# KiCad board Nanopipets.kicad_pcb
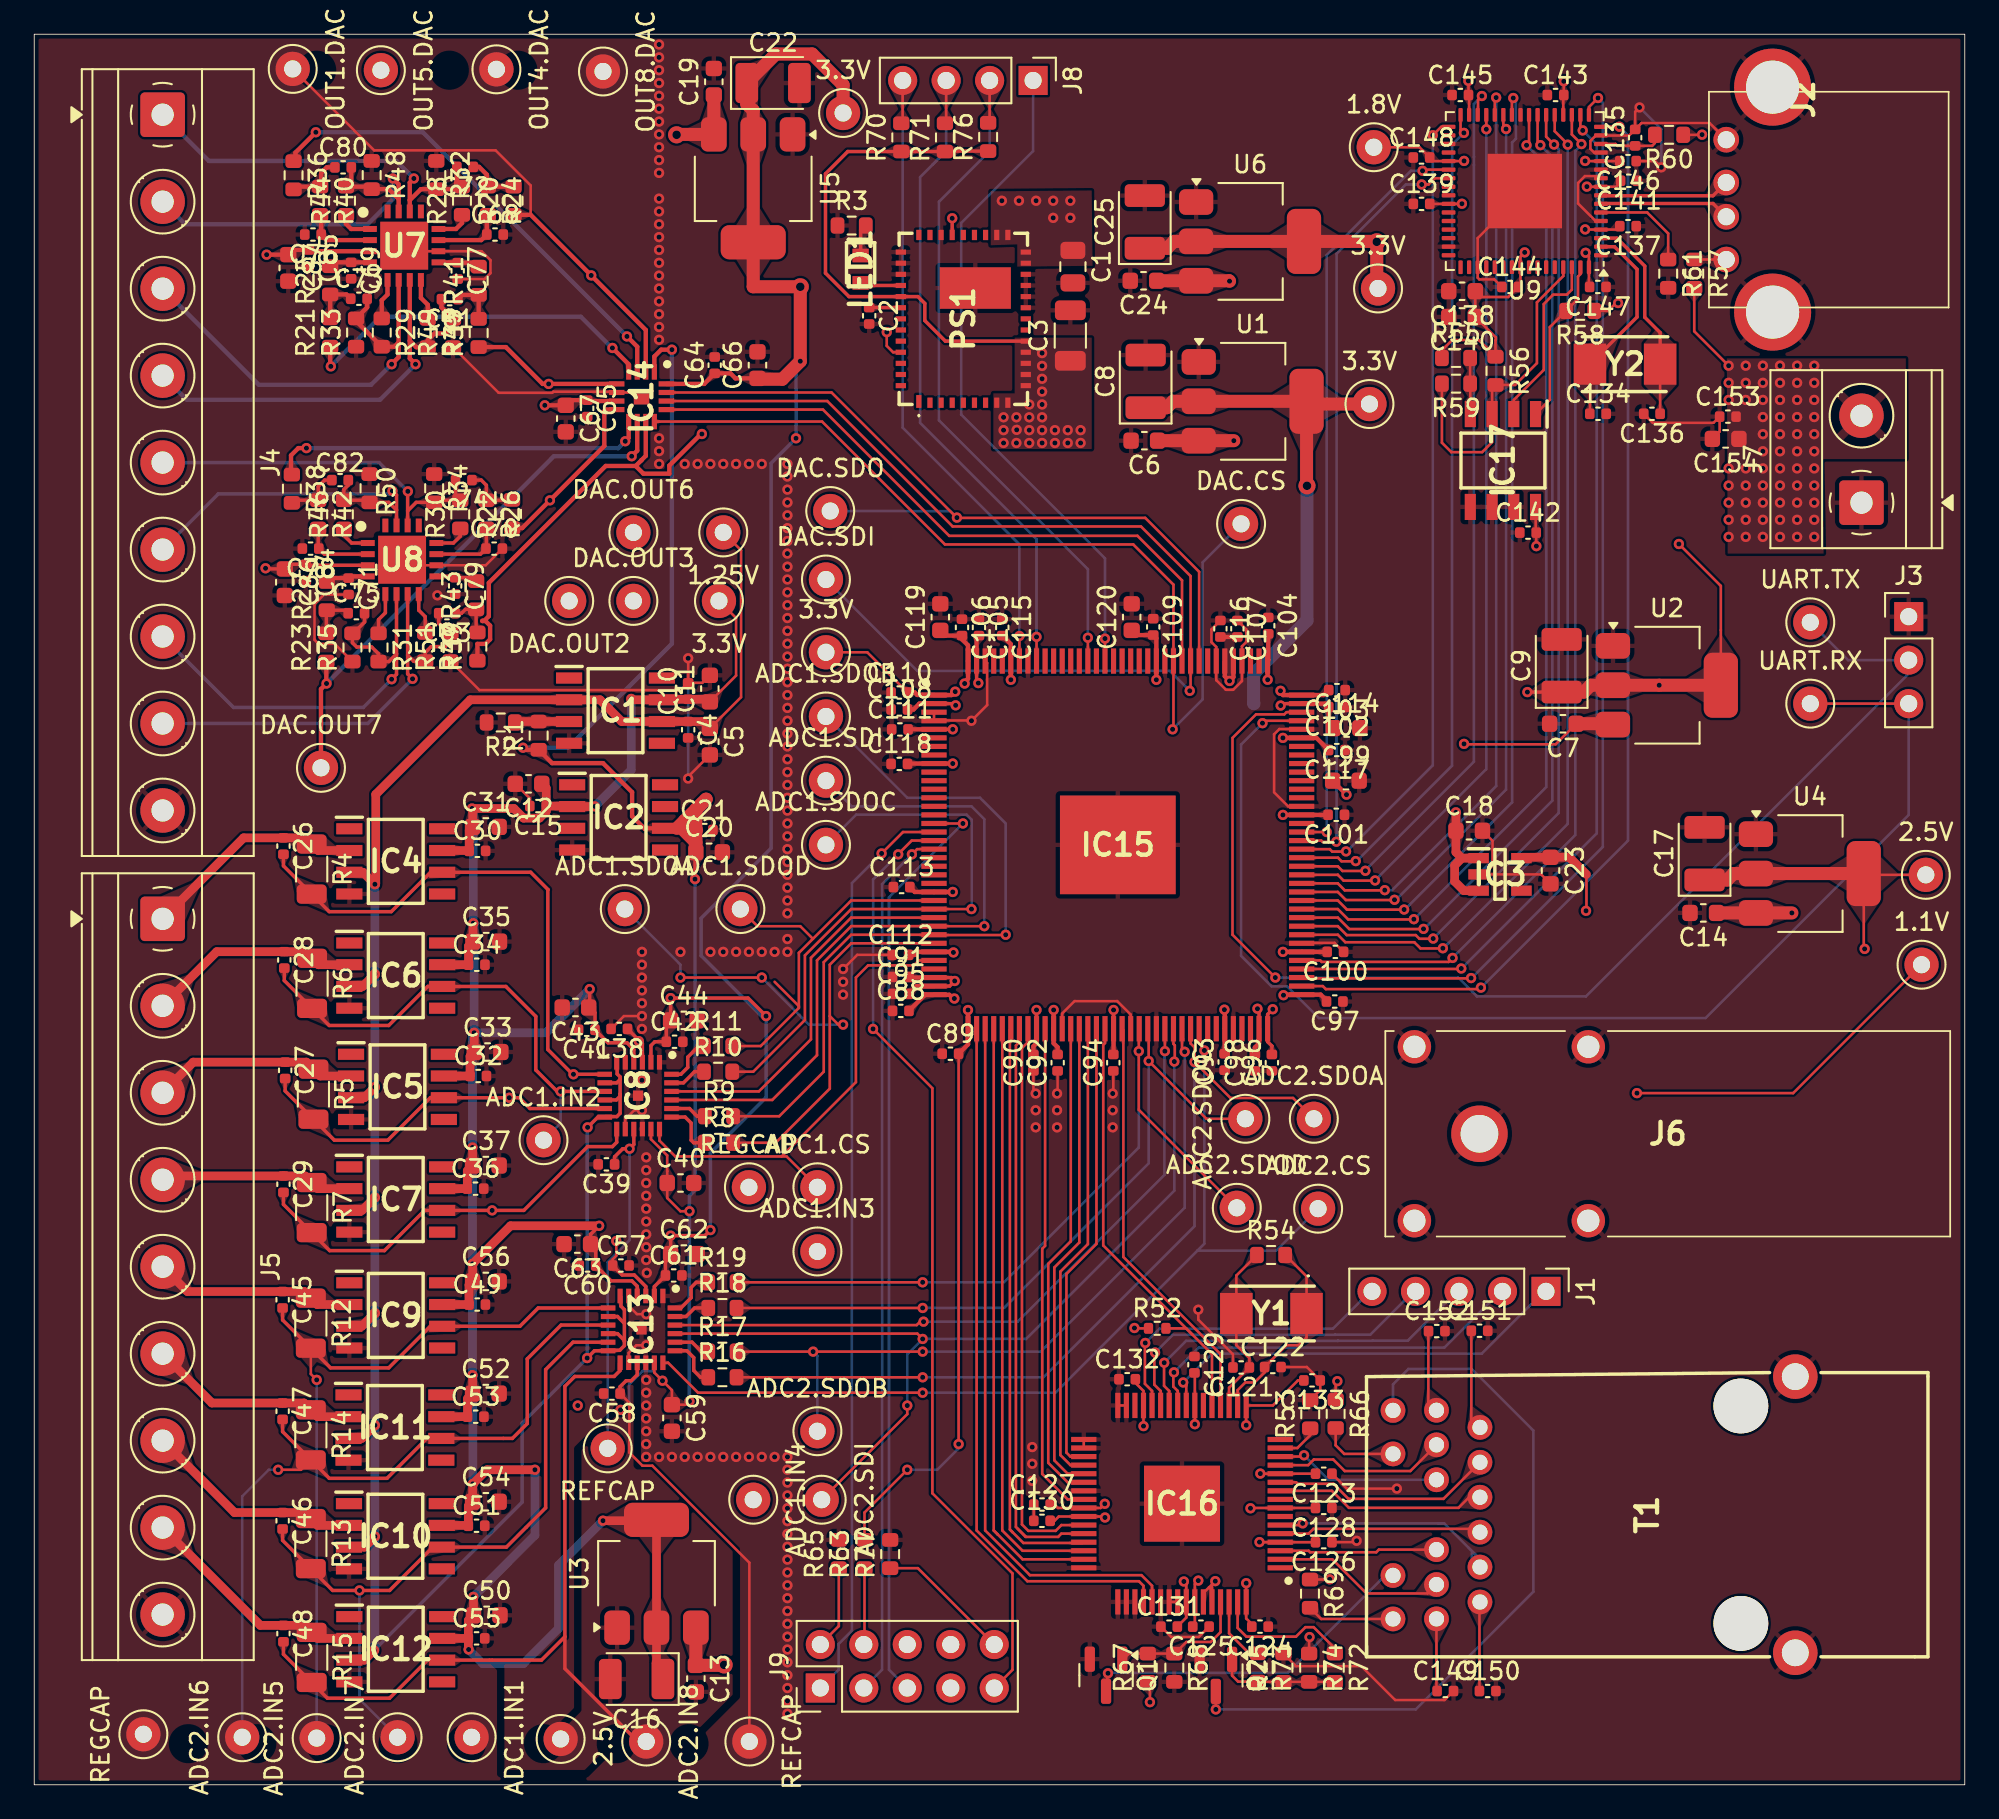
[diagram p0: board, top side]
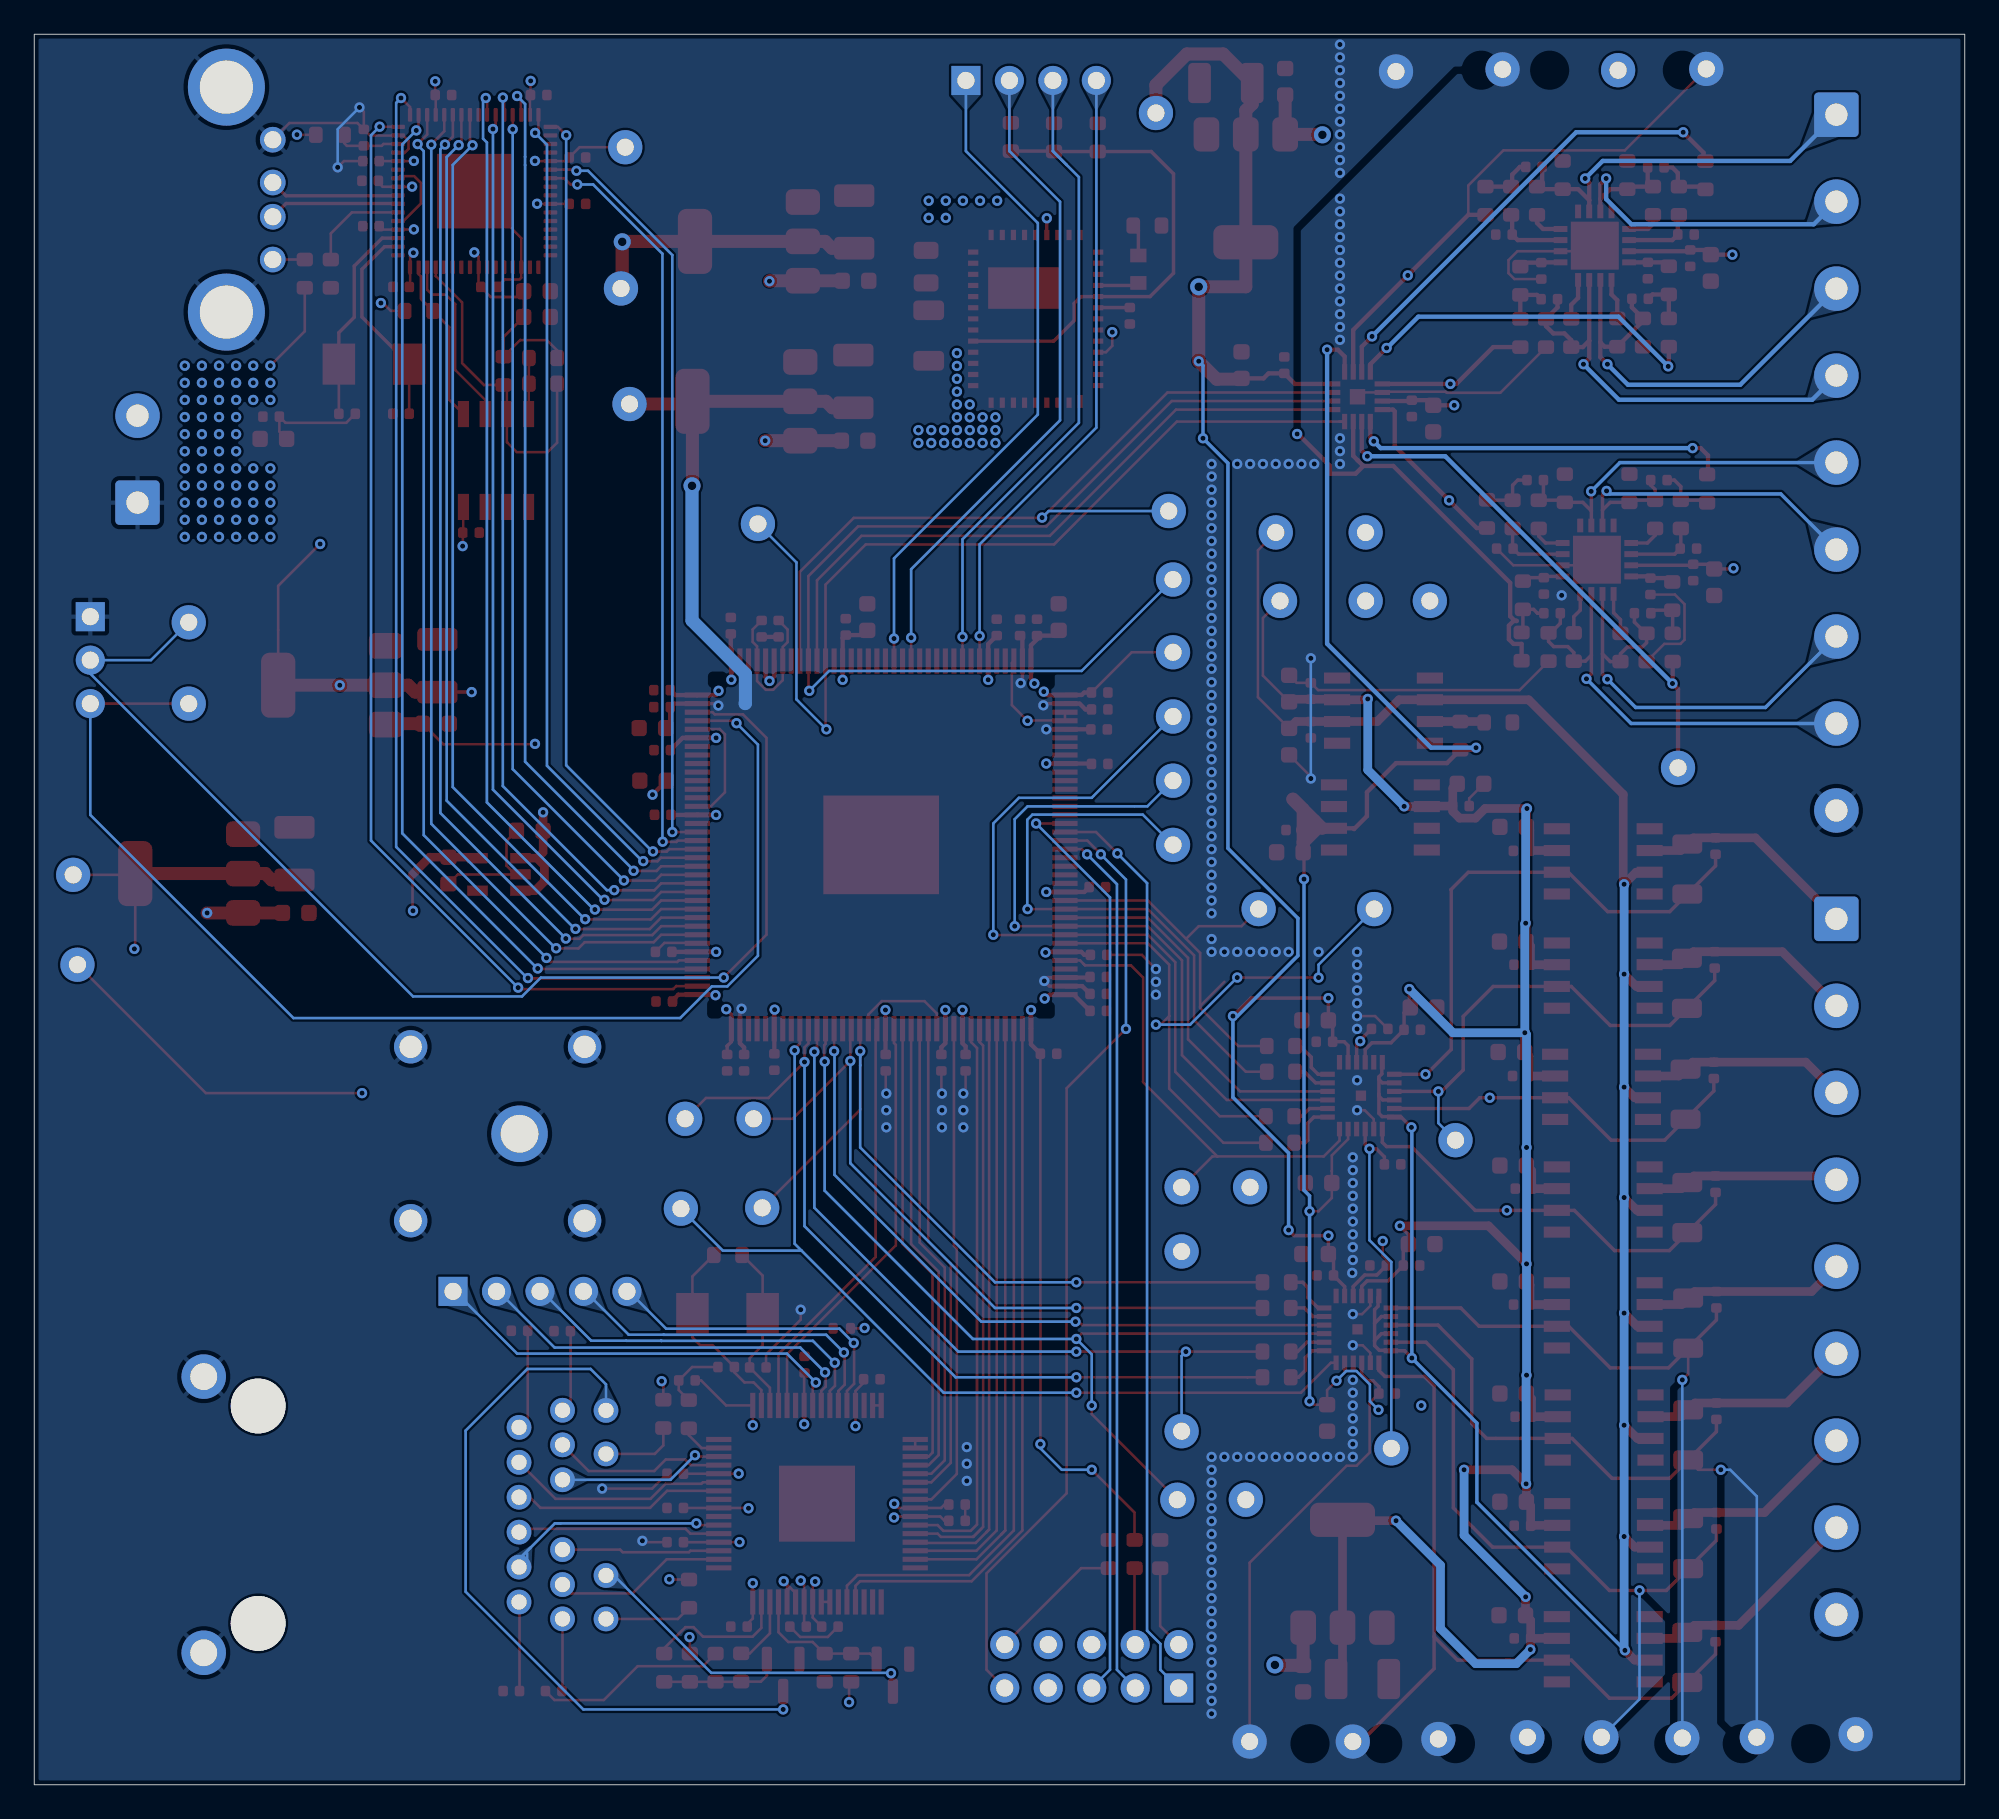
[diagram p1: board, bottom side, seen from below]

Outline 112.78 x 102.25 mm; copper layers: Top, In1.Cu, In2.Cu, Bottom. Coordinates in mm from the lower left corner of the outline.
Outline path: rectangle 0,102.25 112.78,0
Stack: Top 0.035mm / dielectric 0.1mm FR4 er 4.5 / In1.Cu 0.035mm / dielectric 1.24mm FR4 er 4.5 / In2.Cu 0.035mm / dielectric 0.1mm FR4 er 4.5 / Bottom 0.035mm

## Placement (name value [footprint] x y rotation side)
1.1V  TestPoint  [TestPoint_Keystone_5000-5004_Miniature]  110.25 47.9 0 top
1.8V  TestPoint  [TestPoint_Keystone_5000-5004_Miniature]  78.25 95.65 0 top
1.25V  TestPoint  [TestPoint_Keystone_5000-5004_Miniature]  40.25 73.15 180 top
2.5V  TestPoint  [TestPoint_Keystone_5000-5004_Miniature]  30.75 2.68 270 top
2.5V#2  TestPoint  [TestPoint_Keystone_5000-5004_Miniature]  110.5 53.15 0 top
3.3V  TestPoint  [TestPoint_Keystone_5000-5004_Miniature]  78.5 87.4 0 top
3.3V#2  TestPoint  [TestPoint_Keystone_5000-5004_Miniature]  40 69.15 180 top
3.3V#3  TestPoint  [TestPoint_Keystone_5000-5004_Miniature]  46.25 66.15 0 top
3.3V#4  TestPoint  [TestPoint_Keystone_5000-5004_Miniature]  47.25 97.65 0 top
3.3V#5  TestPoint  [TestPoint_Keystone_5000-5004_Miniature]  78 80.65 0 top
ADC1.CS  TestPoint  [TestPoint_Keystone_5000-5004_Miniature]  45.75 34.9 0 top
ADC1.IN1  TestPoint  [TestPoint_Keystone_5000-5004_Miniature]  25.55 2.78 270 top
ADC1.IN2  TestPoint  [TestPoint_Keystone_5000-5004_Miniature]  29.75 37.65 0 top
ADC1.IN3  TestPoint  [TestPoint_Keystone_5000-5004_Miniature]  45.75 31.15 0 top
ADC1.IN4  TestPoint  [TestPoint_Keystone_5000-5004_Miniature]  42 16.65 270 top
ADC1.SDI  TestPoint  [TestPoint_Keystone_5000-5004_Miniature]  46.25 58.65 0 top
ADC1.SDOA  TestPoint  [TestPoint_Keystone_5000-5004_Miniature]  34.5 51.15 0 top
ADC1.SDOB  TestPoint  [TestPoint_Keystone_5000-5004_Miniature]  46.25 62.4 0 top
ADC1.SDOC  TestPoint  [TestPoint_Keystone_5000-5004_Miniature]  46.25 54.9 0 top
ADC1.SDOD  TestPoint  [TestPoint_Keystone_5000-5004_Miniature]  41.25 51.15 0 top
ADC2.CS  TestPoint  [TestPoint_Keystone_5000-5004_Miniature]  75 33.65 0 top
ADC2.IN5  TestPoint  [TestPoint_Keystone_5000-5004_Miniature]  16.5 2.73 90 top
ADC2.IN6  TestPoint  [TestPoint_Keystone_5000-5004_Miniature]  12.15 2.78 90 top
ADC2.IN7  TestPoint  [TestPoint_Keystone_5000-5004_Miniature]  21.23 2.78 90 top
ADC2.IN8  TestPoint  [TestPoint_Keystone_5000-5004_Miniature]  35.75 2.53 270 top
ADC2.SDI  TestPoint  [TestPoint_Keystone_5000-5004_Miniature]  46 16.65 270 top
ADC2.SDOA  TestPoint  [TestPoint_Keystone_5000-5004_Miniature]  74.75 38.9 0 top
ADC2.SDOB  TestPoint  [TestPoint_Keystone_5000-5004_Miniature]  45.75 20.65 0 top
ADC2.SDOC  TestPoint  [TestPoint_Keystone_5000-5004_Miniature]  70.75 38.9 90 top
ADC2.SDOD  TestPoint  [TestPoint_Keystone_5000-5004_Miniature]  70.25 33.7 0 top
C1  22µF  [C_0805_2012Metric]  60.67 88.68 270 top
C2  15nF  [C_0402_1005Metric]  48.77 85.81 270 top
C3  47µF  [C_1206_3216Metric]  60.52 84.65 90 top
C4  0.1µF  [C_0402_1005Metric]  38.2 61.63 270 top
C5  10µF  [C_0603_1608Metric]  39.47 60.93 270 top
C6  10µF  [C_0603_1608Metric]  64.85 78.51 180 top
C7  10µF  [C_0603_1608Metric]  89.3 61.98 180 top
C8  22µF  [CP_EIA-3528-21_Kemet-B]  64.92 81.97 90 top
C9  22µF  [CP_EIA-3528-21_Kemet-B]  89.22 65.36 90 top
C10  0.1µF  [C_0402_1005Metric]  38.2 63.89 90 top
C11  10µF  [C_0603_1608Metric]  39.47 64.03 90 top
C12  10µF  [C_0603_1608Metric]  28.87 58.47 180 top
C13  10µF  [C_0603_1608Metric]  38.65 6.2 270 top
C14  10µF  [C_0603_1608Metric]  97.5 50.93 180 top
C15  0.1µF  [C_0402_1005Metric]  29.43 57.17 180 top
C16  22µF  [CP_EIA-3528-21_Kemet-B]  35.19 6.18 180 top
C17  22µF  [CP_EIA-3528-21_Kemet-B]  97.58 54.39 90 top
C18  1µF  [C_0603_1608Metric]  83.83 55.73 0 top
C19  10µF  [C_0603_1608Metric]  39.7 99.48 90 top
C20  10µF  [C_0603_1608Metric]  39.42 54.47 0 top
C21  0.1µF  [C_0402_1005Metric]  39.17 55.77 0 top
C22  22µF  [CP_EIA-3528-21_Kemet-B]  43.16 99.4 0 top
C23  1µF  [C_0603_1608Metric]  88.58 53.4 270 top
C24  10µF  [C_0603_1608Metric]  64.8 87.85 180 top
C25  22µF  [CP_EIA-3528-21_Kemet-B]  64.88 91.29 90 top
C26  800fF  [C_0402_1005Metric]  14.56 54.83 270 top
C27  800fF  [C_0402_1005Metric]  14.66 41.73 270 top
C28  800fF  [C_0402_1005Metric]  14.61 48.18 270 top
C29  800fF  [C_0402_1005Metric]  14.56 35.08 270 top
C30  0.1µF  [C_0402_1005Metric]  25.89 54.55 0 top
C31  10µF  [C_0603_1608Metric]  26.38 55.95 0 top
C32  0.1µF  [C_0402_1005Metric]  25.94 41.4 0 top
C33  10µF  [C_0603_1608Metric]  26.48 42.8 0 top
C34  0.1µF  [C_0402_1005Metric]  25.85 47.9 0 top
C35  10µF  [C_0603_1608Metric]  26.41 49.25 0 top
C36  0.1µF  [C_0402_1005Metric]  25.78 34.82 0 top
C37  10µF  [C_0603_1608Metric]  26.38 36.17 0 top
C38  0.1µF  [C_0402_1005Metric]  34.18 44.15 180 top
C39  0.1µF  [C_0402_1005Metric]  33.42 36.24 180 top
C40  1µF  [C_0603_1608Metric]  37.75 35.15 0 top
C41  0.1µF  [C_0402_1005Metric]  32.28 44.1 180 top
C42  0.1µF  [C_0402_1005Metric]  37.41 43.4 0 top
C43  10µF  [C_0603_1608Metric]  31.62 45.4 180 top
C44  10µF  [C_0603_1608Metric]  37.95 44.65 0 top
C45  800fF  [C_0402_1005Metric]  14.51 28.33 270 top
C46  800fF  [C_0402_1005Metric]  14.51 15.42 270 top
C47  800fF  [C_0402_1005Metric]  14.51 21.82 270 top
C48  800fF  [C_0402_1005Metric]  14.56 8.83 270 top
C49  0.1µF  [C_0402_1005Metric]  25.88 28.05 0 top
C50  10µF  [C_0603_1608Metric]  26.43 9.9 0 top
C51  0.1µF  [C_0402_1005Metric]  25.84 15.13 0 top
C52  10µF  [C_0603_1608Metric]  26.38 22.85 0 top
C53  0.1µF  [C_0402_1005Metric]  25.79 21.5 0 top
C54  10µF  [C_0603_1608Metric]  26.38 16.53 0 top
C55  0.1µF  [C_0402_1005Metric]  25.84 8.55 0 top
C56  10µF  [C_0603_1608Metric]  26.38 29.4 0 top
C57  0.1µF  [C_0402_1005Metric]  34.27 30.33 0 top
C58  0.1µF  [C_0402_1005Metric]  33.75 22.85 180 top
C59  1µF  [C_0603_1608Metric]  37.25 21.43 270 top
C60  0.1µF  [C_0402_1005Metric]  32.32 30.33 180 top
C61  0.1µF  [C_0402_1005Metric]  37.35 29.75 0 top
C62  10µF  [C_0603_1608Metric]  37.95 31 0 top
C63  10µF  [C_0603_1608Metric]  31.73 31.58 180 top
C64  0.1µF  [C_0402_1005Metric]  39.75 82.92 90 top
C65  0.1µF  [C_0402_1005Metric]  32.3 80.4 270 top
C66  10µF  [C_0603_1608Metric]  42.25 82.93 90 top
C67  10µF  [C_0603_1608Metric]  31.05 79.8 270 top
C68  10nF  [C_0402_1005Metric]  26.92 90.55 0 top
C69  10nF  [C_0402_1005Metric]  18.51 88.45 270 top
C70  10nF  [C_0402_1005Metric]  26.87 72.21 0 top
C71  10nF  [C_0402_1005Metric]  18.36 70 270 top
C72  11nF  [C_0402_1005Metric]  25.17 94.5 180 top
C73  11nF  [C_0402_1005Metric]  18.97 86.8 0 top
C74  11nF  [C_0402_1005Metric]  25.09 76.21 180 top
C75  11nF  [C_0402_1005Metric]  18.82 68.43 0 top
C76  10nF  [C_0402_1005Metric]  16.28 90.55 180 top
C77  10nF  [C_0402_1005Metric]  24.74 88.43 270 top
C78  10nF  [C_0402_1005Metric]  16.14 72.21 180 top
C79  10nF  [C_0402_1005Metric]  24.59 70.03 270 top
C80  11nF  [C_0402_1005Metric]  18.04 94.48 0 top
C81  11nF  [C_0402_1005Metric]  24.27 86.78 180 top
C82  11nF  [C_0402_1005Metric]  17.87 76.21 0 top
C83  11nF  [C_0402_1005Metric]  24.11 68.43 180 top
C84  0.1µF  [C_0402_1005Metric]  15.86 70.81 270 top
C85  0.1µF  [C_0402_1005Metric]  16.04 89.17 270 top
C86  10µF  [C_0603_1608Metric]  14.64 70.24 270 top
C87  10µF  [C_0603_1608Metric]  14.84 88.6 270 top
C88  0.1µF  [C_0402_1005Metric]  50.62 45.2 0 top
C89  0.1µF  [C_0402_1005Metric]  53.52 42.7 0 top
C90  0.1µF  [C_0402_1005Metric]  58.37 42.18 90 top
C91  0.1µF  [C_0402_1005Metric]  50.62 47.18 0 top
C92  0.1µF  [C_0402_1005Metric]  59.78 42.18 90 top
C93  0.1µF  [C_0402_1005Metric]  69.54 42.22 90 top
C94  0.1µF  [C_0402_1005Metric]  63.03 42.18 90 top
C95  0.1µF  [C_0402_1005Metric]  50.62 46.19 0 top
C96  0.1µF  [C_0402_1005Metric]  72.3 42.18 90 top
C97  0.1µF  [C_0402_1005Metric]  75.97 45.75 180 top
C98  0.1µF  [C_0402_1005Metric]  71.31 42.18 90 top
C99  10µF  [C_0603_1608Metric]  76.62 58.65 0 top
C100  0.1µF  [C_0402_1005Metric]  76.01 48.65 180 top
C101  0.1µF  [C_0402_1005Metric]  76.06 56.66 180 top
C102  0.1µF  [C_0402_1005Metric]  76.1 62.95 180 top
C103  0.1µF  [C_0402_1005Metric]  76.1 63.94 180 top
C104  0.1µF  [C_0402_1005Metric]  72.09 67.7 270 top
C105  0.1µF  [C_0402_1005Metric]  55.19 67.6 270 top
C106  0.1µF  [C_0402_1005Metric]  54.2 67.6 270 top
C107  0.1µF  [C_0402_1005Metric]  70.28 67.53 270 top
C108  0.1µF  [C_0402_1005Metric]  50.53 62.81 0 top
C109  0.1µF  [C_0402_1005Metric]  65.37 67.63 270 top
C110  0.1µF  [C_0402_1005Metric]  50.53 63.8 0 top
C111  0.1µF  [C_0402_1005Metric]  50.57 61.64 0 top
C112  0.1µF  [C_0402_1005Metric]  50.6 48.48 0 top
C113  0.1µF  [C_0402_1005Metric]  50.67 52.44 0 top
C114  10µF  [C_0603_1608Metric]  76.67 61.72 0 top
C115  0.1µF  [C_0402_1005Metric]  56.55 67.6 270 top
C116  0.1µF  [C_0402_1005Metric]  69.29 67.53 270 top
C117  0.1µF  [C_0402_1005Metric]  76.09 60.44 180 top
C118  0.1µF  [C_0402_1005Metric]  50.53 59.63 0 top
C119  10µF  [C_0603_1608Metric]  52.93 68.21 90 top
C120  10µF  [C_0603_1608Metric]  64.11 68.21 90 top
C121  33pF  [C_0402_1005Metric]  70.5 24.38 180 top
C122  33pF  [C_0402_1005Metric]  72.36 24.4 0 top
C123  0.1µF  [C_0402_1005Metric]  75.33 18.17 180 top
C124  0.1µF  [C_0402_1005Metric]  71.61 9.24 180 top
C125  0.1µF  [C_0402_1005Metric]  68.16 9.24 180 top
C126  0.1µF  [C_0402_1005Metric]  75.33 14.17 180 top
C127  0.1µF  [C_0402_1005Metric]  58.87 16.37 0 top
C128  0.1µF  [C_0402_1005Metric]  75.33 16.17 180 top
C129  0.1µF  [C_0402_1005Metric]  67.77 24.54 270 top
C130  0.1µF  [C_0402_1005Metric]  58.87 15.42 0 top
C131  0.1µF  [C_0402_1005Metric]  66.3 9.24 0 top
C132  0.1µF  [C_0402_1005Metric]  63.84 23.69 0 top
C133  0.1µF  [C_0402_1005Metric]  74.64 23.62 180 top
C134  27pF  [C_0402_1005Metric]  91.35 80.08 0 top
C135  10nF  [C_0402_1005Metric]  93.52 96.21 90 top
C136  27pF  [C_0402_1005Metric]  94.5 80.08 180 top
C137  0.1µF  [C_0402_1005Metric]  93.1 91.04 180 top
C138  4.7µF  [C_0603_1608Metric]  83.41 87.24 180 top
C139  0.1µF  [C_0402_1005Metric]  81.04 92.34 0 top
C140  4.7µF  [C_0603_1608Metric]  83.41 85.74 180 top
C141  0.1µF  [C_0402_1005Metric]  93.15 93.69 180 top
C142  0.1µF  [C_0402_1005Metric]  87.26 73.14 0 top
C143  0.1µF  [C_0402_1005Metric]  88.87 98.7 0 top
C144  0.1µF  [C_0402_1005Metric]  86.21 87.49 0 top
C145  0.1µF  [C_0402_1005Metric]  83.31 98.7 0 top
C146  0.1µF  [C_0402_1005Metric]  93.1 94.84 180 top
C147  0.1µF  [C_0402_1005Metric]  91.34 87.49 180 top
C148  0.1µF  [C_0402_1005Metric]  81.04 95.05 0 top
C149  0.1µF  [C_0402_1005Metric]  82.43 5.48 0 top
C150  0.1µF  [C_0402_1005Metric]  84.91 5.48 0 top
C151  0.1µF  [C_0402_1005Metric]  84.43 26.52 0 top
C152  0.1µF  [C_0402_1005Metric]  81.93 26.5 0 top
C153  0.1µF  [C_0402_1005Metric]  98.94 79.91 0 top
C154  4.7µF  [C_0603_1608Metric]  98.81 78.61 180 top
DAC.CS  TestPoint  [TestPoint_Keystone_5000-5004_Miniature]  70.5 73.65 0 top
DAC.OUT2  TestPoint  [TestPoint_Keystone_5000-5004_Miniature]  31.25 69.15 180 top
DAC.OUT3  TestPoint  [TestPoint_Keystone_5000-5004_Miniature]  35 69.15 0 top
DAC.OUT6  TestPoint  [TestPoint_Keystone_5000-5004_Miniature]  35 73.15 0 top
DAC.OUT7  TestPoint  [TestPoint_Keystone_5000-5004_Miniature]  16.75 59.4 0 top
DAC.SDI  TestPoint  [TestPoint_Keystone_5000-5004_Miniature]  46.25 70.4 0 top
DAC.SDO  TestPoint  [TestPoint_Keystone_5000-5004_Miniature]  46.5 74.4 0 top
IC1  OPA827AIDR  [SOIC127P600X175-8N]  33.96 62.74 0 top
IC2  ADR4525ARZ-R7  [SOIC127P600X175-8N]  34.14 56.5 0 top
IC3  TLV70311DBVR  [SOT95P280X145-5N]  85.63 53.18 0 top
IC4  OPA827AIDR  [SOIC127P600X175-8N]  21.12 53.94 0 top
IC5  OPA827AIDR  [SOIC127P600X175-8N]  21.22 40.77 0 top
IC6  OPA827AIDR  [SOIC127P600X175-8N]  21.12 47.27 0 top
IC7  OPA827AIDR  [SOIC127P600X175-8N]  21.12 34.19 0 top
IC8  AD7383-4BCPZ  [QFN50P400X400X60-25N-D]  35.27 40.25 270 top
IC9  OPA827AIDR  [SOIC127P600X175-8N]  21.12 27.42 0 top
IC10  OPA827AIDR  [SOIC127P600X175-8N]  21.1 14.52 0 top
IC11  OPA827AIDR  [SOIC127P600X175-8N]  21.07 20.87 0 top
IC12  OPA827AIDR  [SOIC127P600X175-8N]  21.12 7.92 0 top
IC13  AD7383-4BCPZ  [QFN50P400X400X60-25N-D]  35.48 26.6 270 top
IC14  DAC80508ZCRTET  [QFN50P300X300X80-17N-D]  35.48 81.08 270 top
IC15  10M50SCE144C8G  [QFP50P2200X2200X165-145N]  63.3 54.9 0 top
IC16  DEL-DP83867IRPAPT  [QFP50P1200X1200X120-65N]  67.05 16.42 180 top
IC17  M93C46-WMN6TP  [SOIC127P600X175-8N]  85.8 77.35 270 top
J1  Conn_01x05_Pin  [PinHeader_1x05_P2.54mm_Vertical]  88.31 28.82 270 top
J2  USB_A  [TECONN-4POS-USB]  98.84 89.09 90 top
J3  Conn_01x03_Pin  [PinHeader_1x03_P2.54mm_Vertical]  109.5 68.23 0 top
J4  Screw_Terminal_01x09  [TerminalBlock_Phoenix_MKDS-1,5-9-5.08_1x09_P5.08mm_Horizontal]  7.5 97.55 270 top
J5  Screw_Terminal_01x09  [TerminalBlock_Phoenix_MKDS-1,5-9-5.08_1x09_P5.08mm_Horizontal]  7.5 50.58 270 top
J6  73099-0  [730990]  80.62 43.11 0 top
J7  Screw_Terminal_01x02  [TerminalBlock_Phoenix_MKDS-1,5-2-5.08_1x02_P5.08mm_Horizontal]  106.74 74.89 90 top
J8  Conn_01x04_Pin  [PinHeader_1x04_P2.54mm_Vertical]  58.35 99.55 270 top
J9  Conn_02x05_Odd_Even  [PinHeader_2x05_P2.54mm_Vertical]  45.92 5.65 90 top
LED1  APT1608SGC  [LEDC1608X85N]  48.27 88.53 270 top
OUT1.DAC  TestPoint  [TestPoint_Keystone_5000-5004_Miniature]  15.1 100.23 270 top
OUT4.DAC  TestPoint  [TestPoint_Keystone_5000-5004_Miniature]  27 100.2 270 top
OUT5.DAC  TestPoint  [TestPoint_Keystone_5000-5004_Miniature]  20.25 100.15 270 top
OUT8.DAC  TestPoint  [TestPoint_Keystone_5000-5004_Miniature]  33.23 100.08 270 top
PS1  -  [EN5335QI]  54.27 85.62 90 top
Q1  MMBT3904  [SOT-23]  62.61 6.4 270 top
Q2  MMBT3904  [SOT-23]  69.03 6.39 270 top
R1  10k  [R_0603_1608Metric]  29.47 61.28 90 top
R2  10k  [R_0603_1608Metric]  27.25 62.05 180 top
R3  240Ω  [R_0603_1608Metric]  47.75 91.08 0 top
R4  62M  [R_1206_3216Metric]  16.21 53.49 270 top
R5  62M  [R_1206_3216Metric]  16.31 40.34 270 top
R6  62M  [R_1206_3216Metric]  16.23 46.81 270 top
R7  62M  [R_1206_3216Metric]  16.21 33.71 270 top
R8  100  [R_0603_1608Metric]  40 37.5 0 top
R9  100  [R_0603_1608Metric]  40 39.05 0 top
R10  100  [R_0603_1608Metric]  39.95 41.65 0 top
R11  100  [R_0603_1608Metric]  39.95 43.15 0 top
R12  62M  [R_1206_3216Metric]  16.16 26.96 270 top
R13  62M  [R_1206_3216Metric]  16.16 14.09 270 top
R14  62M  [R_1206_3216Metric]  16.16 20.44 270 top
R15  62M  [R_1206_3216Metric]  16.21 7.44 270 top
R16  100  [R_0603_1608Metric]  40.2 23.8 0 top
R17  100  [R_0603_1608Metric]  40.2 25.3 0 top
R18  100  [R_0603_1608Metric]  40.2 27.85 0 top
R19  100  [R_0603_1608Metric]  40.2 29.35 0 top
R20  3.3k  [R_0603_1608Metric]  28 92.53 90 top
R21  3.3k  [R_0603_1608Metric]  17.29 84.83 90 top
R22  3.3k  [R_0603_1608Metric]  27.91 74.23 90 top
R23  3.3k  [R_0603_1608Metric]  17.06 66.43 90 top
R24  11k  [R_0603_1608Metric]  26.5 92.53 270 top
R25  11k  [R_0603_1608Metric]  17.29 87.88 90 top
R26  11k  [R_0603_1608Metric]  26.41 74.21 270 top
R27  11k  [R_0603_1608Metric]  17.09 69.43 90 top
R28  3.6k  [R_0603_1608Metric]  24.99 92.53 90 top
R29  3.6k  [R_0603_1608Metric]  20.3 84.82 270 top
R30  3.6k  [R_0603_1608Metric]  24.89 74.21 90 top
R31  3.6k  [R_0603_1608Metric]  20.11 66.43 270 top
R32  2.4k  [R_0603_1608Metric]  23.49 94.03 270 top
R33  2.4k  [R_0603_1608Metric]  18.8 84.83 90 top
R34  2.4k  [R_0603_1608Metric]  23.36 75.73 270 top
R35  2.4k  [R_0603_1608Metric]  18.59 66.43 90 top
R36  3.3k  [R_0603_1608Metric]  15.15 94.01 270 top
R37  3.3k  [R_0603_1608Metric]  25.96 84.8 90 top
R38  3.3k  [R_0603_1608Metric]  15.05 75.71 270 top
R39  3.3k  [R_0603_1608Metric]  25.89 66.48 90 top
R40  11k  [R_0603_1608Metric]  16.7 92.53 270 top
R41  11k  [R_0603_1608Metric]  25.96 87.85 90 top
R42  11k  [R_0603_1608Metric]  16.59 74.21 270 top
R43  11k  [R_0603_1608Metric]  25.81 69.48 90 top
R44  3.6k  [R_0603_1608Metric]  18.21 92.53 90 top
R45  3.6k  [R_0603_1608Metric]  22.99 84.8 270 top
R46  3.6k  [R_0603_1608Metric]  18.09 74.21 90 top
R47  3.6k  [R_0603_1608Metric]  22.84 66.46 270 top
R48  2.4k  [R_0603_1608Metric]  19.71 94.03 270 top
R49  2.4k  [R_0603_1608Metric]  24.46 84.8 90 top
R50  2.4k  [R_0603_1608Metric]  19.59 75.73 270 top
R51  2.4k  [R_0603_1608Metric]  24.31 66.46 90 top
R52  1.5k  [R_0402_1005Metric]  65.6 26.66 0 top
R53  11K  [R_0603_1608Metric]  74.54 21.64 90 top
R54  1M  [R_0603_1608Metric]  72.25 30.94 0 top
R55  10K  [R_0603_1608Metric]  83.06 83.34 0 top
R56  10K  [R_0603_1608Metric]  85.36 82.59 270 top
R57  0  [R_0603_1608Metric]  96.97 88.27 270 top
R58  10K  [R_0603_1608Metric]  90.31 86.09 180 top
R59  2.2K  [R_0603_1608Metric]  83.06 81.84 180 top
R60  10K  [R_0603_1608Metric]  95.5 96.38 180 top
R61  12K  [R_0603_1608Metric]  95.45 88.26 270 top
R63  10k  [R_0603_1608Metric]  48.5 13.48 90 top
R65  1k  [R_0603_1608Metric]  47 13.48 90 top
R66  200  [R_0603_1608Metric]  76.03 21.66 270 top
R67  10k  [R_0603_1608Metric]  65.05 6.84 90 top
R68  2.49k  [R_0603_1608Metric]  66.6 6.84 270 top
R69  200  [R_0603_1608Metric]  74.53 11.16 270 top
R70  10k  [R_0603_1608Metric]  50.65 96.23 90 top
R71  10k  [R_0603_1608Metric]  53.2 96.23 90 top
R72  0  [R_0603_1608Metric]  75.97 6.84 270 top
R73  DNP  [R_0603_1608Metric]  71.47 6.85 270 top  (not fitted)
R74  10k  [R_0603_1608Metric]  74.47 6.84 270 top
R75  2.49k  [R_0603_1608Metric]  72.97 6.84 90 top
R76  10k  [R_0603_1608Metric]  55.73 96.25 90 top
R77  1k  [R_0603_1608Metric]  50 13.48 90 top
REFCAP  TestPoint  [TestPoint_Keystone_5000-5004_Miniature]  33.5 19.65 180 top
REFCAP#2  TestPoint  [TestPoint_Keystone_5000-5004_Miniature]  41.77 2.53 270 top
REGCAP  TestPoint  [TestPoint_Keystone_5000-5004_Miniature]  6.38 2.95 90 top
REGCAP#2  TestPoint  [TestPoint_Keystone_5000-5004_Miniature]  41.75 34.9 0 top
T1  WE-RJ45_7499111221A  [7499111221A]  84.45 20.88 90 top
U1  AMS1117-3.3  [SOT-223-3_TabPin2]  71.17 80.81 0 top
U2  AMS1117-1.8  [SOT-223-3_TabPin2]  95.38 64.23 0 top
U3  AMS1117-3.3  [SOT-223-3_TabPin2]  36.35 12.33 90 top
U4  AMS1117-2.5  [SOT-223-3_TabPin2]  103.72 53.23 0 top
U5  AMS1117-3.3  [SOT-223-3_TabPin2]  42 93.25 270 top
U6  AMS1117-3.3  [SOT-223-3_TabPin2]  71.03 90.15 0 top
U7  OPA4187  [QFN65P400X400X80-17N-D]  21.61 89.9 0 top
U8  OPA4187  [QFN65P400X400X80-17N-D]  21.49 71.56 0 top
U9  FT2232HQ  [QFN-64-1EP_9x9mm_P0.5mm_EP4.35x4.35mm]  87.07 93.09 180 top
UART.RX  TestPoint  [TestPoint_Keystone_5000-5004_Miniature]  103.75 63.15 0 top
UART.TX  TestPoint  [TestPoint_Keystone_5000-5004_Miniature]  103.75 67.9 0 top
Y1  25MHz  [ABM3]  72.27 27.53 180 top
Y2  12MHz  [ABM3]  92.93 82.98 0 top